# KiCad board nf_tpu.kicad_pcb (continued)
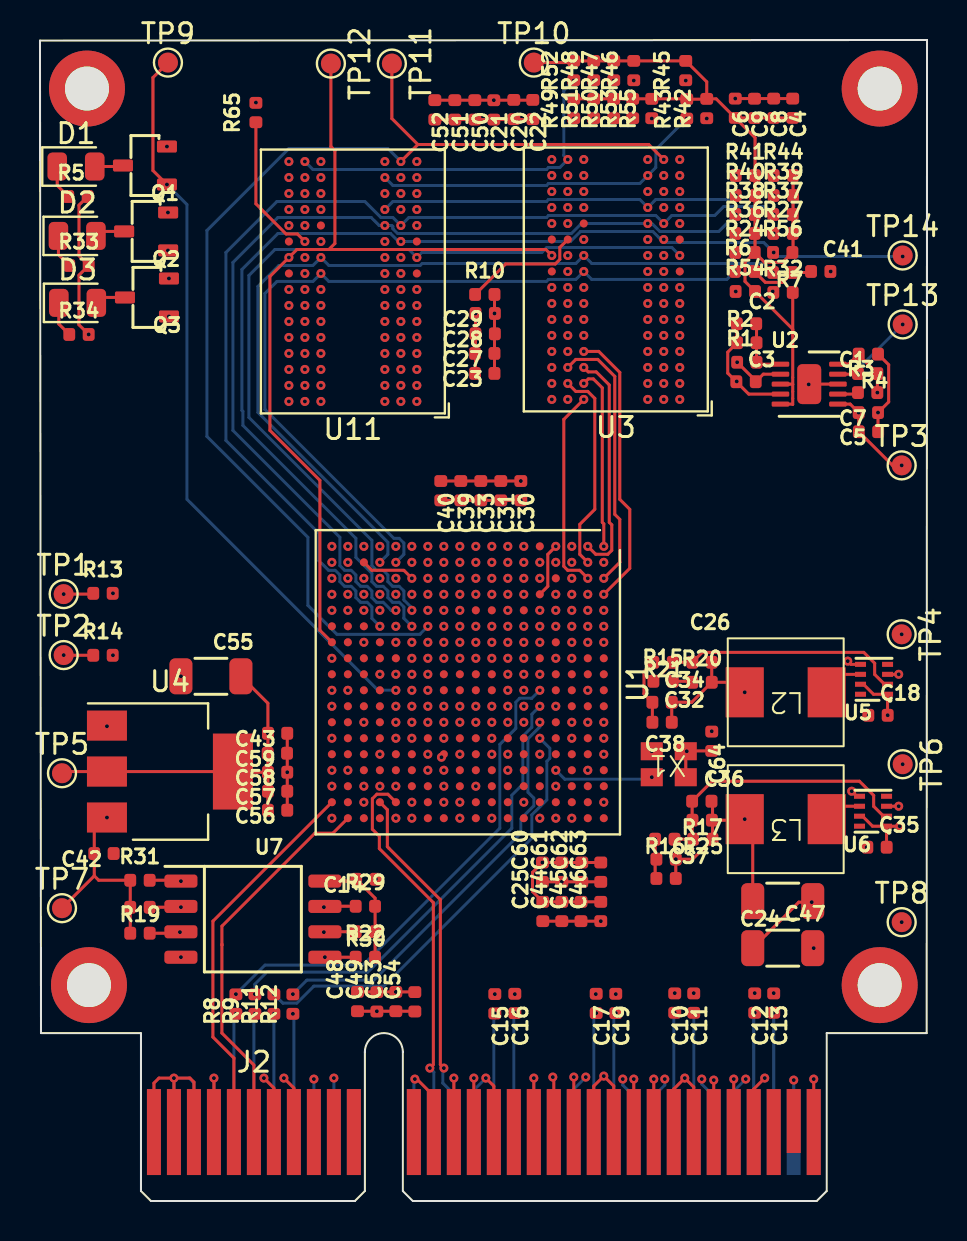
[diagram p0: board, top side]
## Footprints (pads in the part's own frame, mm; a bottom-side part is the same pattern mirrored in y, then rotated)
BGA-96_9.0x13.0mm_Layout2x3x16_P0.8mm
  round 0.4 smd: A1(-3.2,6) A2(-2.4,6) A3(-1.6,6) A7(1.6,6) A8(2.4,6) A9(3.2,6) B1(-3.2,5.2) B2(-2.4,5.2) B3(-1.6,5.2) B7(1.6,5.2) B8(2.4,5.2) B9(3.2,5.2) C1(-3.2,4.4) C2(-2.4,4.4) C3(-1.6,4.4) C7(1.6,4.4) C8(2.4,4.4) C9(3.2,4.4) D1(-3.2,3.6) D2(-2.4,3.6) D3(-1.6,3.6) D7(1.6,3.6) D8(2.4,3.6) D9(3.2,3.6) E1(-3.2,2.8) E2(-2.4,2.8) E3(-1.6,2.8) E7(1.6,2.8) E8(2.4,2.8) E9(3.2,2.8) F1(-3.2,2) F2(-2.4,2) F3(-1.6,2) F7(1.6,2) F8(2.4,2) F9(3.2,2) G1(-3.2,1.2) G2(-2.4,1.2) G3(-1.6,1.2) G7(1.6,1.2) G8(2.4,1.2) G9(3.2,1.2) H1(-3.2,0.4) H2(-2.4,0.4) H3(-1.6,0.4) H7(1.6,0.4) H8(2.4,0.4) H9(3.2,0.4) J1(-3.2,-0.4) J2(-2.4,-0.4) J3(-1.6,-0.4) J7(1.6,-0.4) J8(2.4,-0.4) J9(3.2,-0.4) K1(-3.2,-1.2) K2(-2.4,-1.2) K3(-1.6,-1.2) K7(1.6,-1.2) K8(2.4,-1.2) K9(3.2,-1.2) L1(-3.2,-2) L2(-2.4,-2) L3(-1.6,-2) L7(1.6,-2) L8(2.4,-2) L9(3.2,-2) M1(-3.2,-2.8) M2(-2.4,-2.8) M3(-1.6,-2.8) M7(1.6,-2.8) M8(2.4,-2.8) M9(3.2,-2.8) N1(-3.2,-3.6) N2(-2.4,-3.6) N3(-1.6,-3.6) N7(1.6,-3.6) N8(2.4,-3.6) N9(3.2,-3.6) P1(-3.2,-4.4) P2(-2.4,-4.4) P3(-1.6,-4.4) P7(1.6,-4.4) P8(2.4,-4.4) P9(3.2,-4.4) R1(-3.2,-5.2) R2(-2.4,-5.2) R3(-1.6,-5.2) R7(1.6,-5.2) R8(2.4,-5.2) R9(3.2,-5.2) T1(-3.2,-6) T2(-2.4,-6) T3(-1.6,-6) T7(1.6,-6) T8(2.4,-6) T9(3.2,-6)
BUS_PCIexpress_x4
  rect 0.7x3.2 smd far side: A1(0,0.55)
  rect 0.7x4.3 smd far side: A2(1,0) A3(2,0) A4(3,0) A5(4,0) A6(5,0) A7(6,0) A8(7,0) A9(8,0) A10(9,0) A11(10,0) A12(13,0) A13(14,0) A14(15,0) A15(16,0) A16(17,0) A17(18,0) A18(19,0) A19(20,0) A20(21,0) A21(22,0) A22(23,0) A23(24,0) A24(25,0) A25(26,0) A26(27,0) A27(28,0) A28(29,0) A29(30,0) A30(31,0) A31(32,0) A32(33,0)
  rect 0.7x4.3 smd: B1(0,0) B2(1,0) B3(2,0) B4(3,0) B5(4,0) B6(5,0) B7(6,0) B8(7,0) B9(8,0) B10(9,0) B11(10,0) B12(13,0) B13(14,0) B14(15,0) B15(16,0) B16(17,0) B17(18,0) B18(19,0) B19(20,0) B20(21,0) B21(22,0) B22(23,0) B23(24,0) B24(25,0) B25(26,0) B26(27,0) B27(28,0) B28(29,0) B29(30,0) B30(31,0) B32(33,0)
  rect 0.7x3.2 smd: B31(32,0.55)
C_0402_1005Metric
  rrect 0.59x0.64 smd: 1(-0.484,0) 2(0.484,0)
C_1206_3216Metric
  rrect 1.15x1.8 smd: 1(-1.5,-0.001) 2(1.5,-0.001)
LED_0805_2012Metric
  rrect 0.975x1.4 smd: 1(-0.938,0) 2(0.938,0)
MHCI05030
  rect 1.9x2.5 smd: 1(-2,0) 2(2.1,0)
MountingHole_2.2mm_M2_DIN965_Pad
  round 3.8 hole 2.2: 1(0,0)
nf_osci_100mhz
  rect 1.1x0.9 smd: 1(-0.9,-0.6) 2(0.8,-0.6) 3(0.8,0.7) 4(-0.9,0.7)
QFN-8_2x1mm
  rect 0.55x0.25 smd: 1(-0.677,0.75) 2(-0.677,0.25) 3(-0.677,-0.248) 4(-0.677,-0.748) 5(0.675,-0.748) 6(0.675,-0.248) 7(0.675,0.25) 8(0.675,0.75)
R_0402_1005Metric
  rrect 0.59x0.64 smd: 1(-0.485,0) 2(0.485,0)
SOIC-8-1EP_5.3x5.3x2mm_P1.27mm
  rrect 1.65x0.65 smd: 1(-3.601,1.905) 2(-3.601,0.635) 3(-3.601,-0.633) 4(-3.601,-1.904) 5(3.6,-1.904) 6(3.6,-0.633) 7(3.6,0.635) 8(3.6,1.905)
SOT-23-3
  rrect 1x0.6 smd: 1(-1.1,0.951) 2(-1.1,-0.949) 3(1.1,0.001)
SOT-223-3_TabPin2
  rect 2x1.5 smd: 1(-3.15,2.3) 2(-3.15,0) 3(-3.15,-2.3)
  rect 2x3.8 smd: 2(3.15,0)
TestPoint_Pad_D1.0mm
  round 1 smd: 1(0,0)
VSON-10-1EP_3x3mm
  rrect 0.48x0.81 smd: (-0.3,0.51) (-0.3,-0.488) (0.299,0.51) (0.299,-0.488)
  rrect 0.875x0.25 smd: 1(-1.438,1.01) 2(-1.438,0.51) 3(-1.438,0.011) 4(-1.438,-0.488) 5(-1.438,-0.988) 6(1.437,-0.988) 7(1.437,-0.488) 8(1.437,0.011) 9(1.437,0.51) 10(1.437,1.01)
  rrect 1.2x2 smd: 11(0,0.011)
Xilinx_CSG324
  round 0.4 smd: A1(-6.8,6.8) A2(-6,6.8) A3(-5.2,6.8) A4(-4.4,6.8) A5(-3.6,6.8) A6(-2.8,6.8) A7(-2,6.8) A8(-1.2,6.8) A9(-0.4,6.8) A10(0.4,6.8) A11(1.2,6.8) A12(2,6.8) A13(2.8,6.8) A14(3.6,6.8) A15(4.4,6.8) A16(5.2,6.8) A17(6,6.8) A18(6.8,6.8) B1(-6.8,6) B2(-6,6) B3(-5.2,6) B4(-4.4,6) B5(-3.6,6) B6(-2.8,6) B7(-2,6) B8(-1.2,6) B9(-0.4,6) B10(0.4,6) B11(1.2,6) B12(2,6) B13(2.8,6) B14(3.6,6) B15(4.4,6) B16(5.2,6) B17(6,6) B18(6.8,6) C1(-6.8,5.2) C2(-6,5.2) C3(-5.2,5.2) C4(-4.4,5.2) C5(-3.6,5.2) C6(-2.8,5.2) C7(-2,5.2) C8(-1.2,5.2) C9(-0.4,5.2) C10(0.4,5.2) C11(1.2,5.2) C12(2,5.2) C13(2.8,5.2) C14(3.6,5.2) C15(4.4,5.2) C16(5.2,5.2) C17(6,5.2) C18(6.8,5.2) D1(-6.8,4.4) D2(-6,4.4) D3(-5.2,4.4) D4(-4.4,4.4) D5(-3.6,4.4) D6(-2.8,4.4) D7(-2,4.4) D8(-1.2,4.4) D9(-0.4,4.4) D10(0.4,4.4) D11(1.2,4.4) D12(2,4.4) D13(2.8,4.4) D14(3.6,4.4) D15(4.4,4.4) D16(5.2,4.4) D17(6,4.4) D18(6.8,4.4) E1(-6.8,3.6) E2(-6,3.6) E3(-5.2,3.6) E4(-4.4,3.6) E5(-3.6,3.6) E6(-2.8,3.6) E7(-2,3.6) E8(-1.2,3.6) E9(-0.4,3.6) E10(0.4,3.6) E11(1.2,3.6) E12(2,3.6) E13(2.8,3.6) E14(3.6,3.6) E15(4.4,3.6) E16(5.2,3.6) E17(6,3.6) E18(6.8,3.6) F1(-6.8,2.8) F2(-6,2.8) F3(-5.2,2.8) F4(-4.4,2.8) F5(-3.6,2.8) F6(-2.8,2.8) F7(-2,2.8) F8(-1.2,2.8) F9(-0.4,2.8) F10(0.4,2.8) F11(1.2,2.8) F12(2,2.8) F13(2.8,2.8) F14(3.6,2.8) F15(4.4,2.8) F16(5.2,2.8) F17(6,2.8) F18(6.8,2.8) G1(-6.8,2) G2(-6,2) G3(-5.2,2) G4(-4.4,2) G5(-3.6,2) G6(-2.8,2) G7(-2,2) G8(-1.2,2) G9(-0.4,2) G10(0.4,2) G11(1.2,2) G12(2,2) G13(2.8,2) G14(3.6,2) G15(4.4,2) G16(5.2,2) G17(6,2) G18(6.8,2) H1(-6.8,1.2) H2(-6,1.2) H3(-5.2,1.2) H4(-4.4,1.2) H5(-3.6,1.2) H6(-2.8,1.2) H7(-2,1.2) H8(-1.2,1.2) H9(-0.4,1.2) H10(0.4,1.2) H11(1.2,1.2) H12(2,1.2) H13(2.8,1.2) H14(3.6,1.2) H15(4.4,1.2) H16(5.2,1.2) H17(6,1.2) H18(6.8,1.2) J1(-6.8,0.4) J2(-6,0.4) J3(-5.2,0.4) J4(-4.4,0.4) J5(-3.6,0.4) J6(-2.8,0.4) J7(-2,0.4) J8(-1.2,0.4) J9(-0.4,0.4) J10(0.4,0.4) J11(1.2,0.4) J12(2,0.4) J13(2.8,0.4) J14(3.6,0.4) J15(4.4,0.4) J16(5.2,0.4) J17(6,0.4) J18(6.8,0.4) K1(-6.8,-0.4) K2(-6,-0.4) K3(-5.2,-0.4) K4(-4.4,-0.4) K5(-3.6,-0.4) K6(-2.8,-0.4) K7(-2,-0.4) K8(-1.2,-0.4) K9(-0.4,-0.4) K10(0.4,-0.4) K11(1.2,-0.4) K12(2,-0.4) K13(2.8,-0.4) K14(3.6,-0.4) K15(4.4,-0.4) K16(5.2,-0.4) K17(6,-0.4) K18(6.8,-0.4) L1(-6.8,-1.2) L2(-6,-1.2) L3(-5.2,-1.2) L4(-4.4,-1.2) L5(-3.6,-1.2) L6(-2.8,-1.2) L7(-2,-1.2) L8(-1.2,-1.2) L9(-0.4,-1.2) L10(0.4,-1.2) L11(1.2,-1.2) L12(2,-1.2) L13(2.8,-1.2) L14(3.6,-1.2) L15(4.4,-1.2) L16(5.2,-1.2) L17(6,-1.2) L18(6.8,-1.2) M1(-6.8,-2) M2(-6,-2) M3(-5.2,-2) M4(-4.4,-2) M5(-3.6,-2) M6(-2.8,-2) M7(-2,-2) M8(-1.2,-2) M9(-0.4,-2) M10(0.4,-2) M11(1.2,-2) M12(2,-2) M13(2.8,-2) M14(3.6,-2) M15(4.4,-2) M16(5.2,-2) M17(6,-2) M18(6.8,-2) N1(-6.8,-2.8) N2(-6,-2.8) N3(-5.2,-2.8) N4(-4.4,-2.8) N5(-3.6,-2.8) N6(-2.8,-2.8) N7(-2,-2.8) N8(-1.2,-2.8) N9(-0.4,-2.8) N10(0.4,-2.8) N11(1.2,-2.8) N12(2,-2.8) N13(2.8,-2.8) N14(3.6,-2.8) N15(4.4,-2.8) N16(5.2,-2.8) N17(6,-2.8) N18(6.8,-2.8) P1(-6.8,-3.6) P2(-6,-3.6) P3(-5.2,-3.6) P4(-4.4,-3.6) P5(-3.6,-3.6) P6(-2.8,-3.6) P7(-2,-3.6) P8(-1.2,-3.6) P9(-0.4,-3.6) P10(0.4,-3.6) P11(1.2,-3.6) P12(2,-3.6) P13(2.8,-3.6) P14(3.6,-3.6) P15(4.4,-3.6) P16(5.2,-3.6) P17(6,-3.6) P18(6.8,-3.6) R1(-6.8,-4.4) R2(-6,-4.4) R3(-5.2,-4.4) R4(-4.4,-4.4) R5(-3.6,-4.4) R6(-2.8,-4.4) R7(-2,-4.4) R8(-1.2,-4.4) R9(-0.4,-4.4) R10(0.4,-4.4) R11(1.2,-4.4) R12(2,-4.4) R13(2.8,-4.4) R14(3.6,-4.4) R15(4.4,-4.4) R16(5.2,-4.4) R17(6,-4.4) R18(6.8,-4.4) T1(-6.8,-5.2) T2(-6,-5.2) T3(-5.2,-5.2) T4(-4.4,-5.2) T5(-3.6,-5.2) T6(-2.8,-5.2) T7(-2,-5.2) T8(-1.2,-5.2) T9(-0.4,-5.2) T10(0.4,-5.2) T11(1.2,-5.2) T12(2,-5.2) T13(2.8,-5.2) T14(3.6,-5.2) T15(4.4,-5.2) T16(5.2,-5.2) T17(6,-5.2) T18(6.8,-5.2) U1(-6.8,-6) U2(-6,-6) U3(-5.2,-6) U4(-4.4,-6) U5(-3.6,-6) U6(-2.8,-6) U7(-2,-6) U8(-1.2,-6) U9(-0.4,-6) U10(0.4,-6) U11(1.2,-6) U12(2,-6) U13(2.8,-6) U14(3.6,-6) U15(4.4,-6) U16(5.2,-6) U17(6,-6) U18(6.8,-6) V1(-6.8,-6.8) V2(-6,-6.8) V3(-5.2,-6.8) V4(-4.4,-6.8) V5(-3.6,-6.8) V6(-2.8,-6.8) V7(-2,-6.8) V8(-1.2,-6.8) V9(-0.4,-6.8) V10(0.4,-6.8) V11(1.2,-6.8) V12(2,-6.8) V13(2.8,-6.8) V14(3.6,-6.8) V15(4.4,-6.8) V16(5.2,-6.8) V17(6,-6.8) V18(6.8,-6.8)

## Nets
GND: C1.1 C2.1 C3.1 C4.1 C5.1 C6.1 C7.1 C8.1 C9.1 C14.1 C18.1 C20.1 C21.1 C22.1 C23.1 C24.1 C25.1 C27.1 C28.1 C29.1 C30.1 C31.1 C32.1 C33.1 C34.1 C35.1 C37.1 C38.1 C39.1 C40.1 C41.2 C43.1 C44.1 C45.1 C46.1 C47.1 C48.1 C49.1 C50.1 C51.1 C52.1 C53.1 C54.1 C55.1 C56.1 C57.1 C58.1 C59.1 C60.1 C61.1 C62.1 C63.1 C64.1 J2.A4 J2.A12 J2.A15 J2.A18 J2.A20 J2.A23 J2.A24 J2.A27 J2.A28 J2.A31 J2.B4 J2.B7 J2.B13 J2.B16 J2.B18 J2.B21 J2.B22 J2.B25 J2.B26 J2.B29 J2.B32 Q1.2 Q2.2 Q3.2 R2.1 R10.2 R16.2 R21.2 R65.2 TP8.1 U1.A2 U1.A12 U1.B5 U1.B15 U1.C8 U1.C18 U1.D1 U1.D11 U1.E4 U1.E14 U1.F7 U1.F9 U1.F11 U1.F17 U1.G8 U1.G10 U1.G12 U1.H3 U1.H7 U1.H11 U1.H13 U1.J6 U1.J8 U1.J12 U1.J16 U1.K7 U1.K11 U1.L2 U1.L8 U1.L12 U1.M5 U1.M7 U1.M9 U1.M11 U1.M15 U1.N8 U1.N10 U1.N12 U1.N18 U1.P1 U1.P11 U1.P13 U1.R4 U1.R14 U1.T7 U1.T17 U1.U10 U1.V3 U1.V13 U2.4 U2.8 U2.11 U3.A9 U3.B1 U3.B3 U3.B9 U3.D1 U3.D8 U3.E1 U3.E2 U3.E8 U3.F9 U3.G1 U3.G8 U3.G9 U3.J2 U3.J8 U3.M1 U3.M9 U3.P1 U3.P9 U3.T1 U3.T9 U4.1 U5.3 U5.5 U6.3 U6.5 U7.4 U11.A9 U11.B1 U11.B3 U11.B9 U11.D1 U11.D8 U11.E1 U11.E2 U11.E8 U11.F9 U11.G1 U11.G8 U11.G9 U11.J2 U11.J8 U11.M1 U11.M9 U11.P1 U11.P9 U11.T1 U11.T9 X1.2
VCC3V3: C1.2 C14.2 C18.2 C35.2 C42.2 C47.2 C48.2 C49.2 C53.2 C54.2 C64.2 J2.A9 J2.A10 J2.B8 R3.2 R4.1 R5.2 R13.2 R14.2 R19.2 R22.2 R28.2 R29.2 R30.1 R31.1 R33.2 R34.2 TP7.1 U1.A17 U1.B10 U1.C13 U1.D16 U1.G15 U1.H18 U1.K14 U1.L17 U1.N13 U1.P12 U1.P16 U1.R9 U1.T12 U1.U15 U1.V18 U2.10 U4.3 U5.1 U5.7 U6.1 U6.7 U7.8 X1.1 X1.4
VCCAUX: C43.2 C55.2 C56.2 C57.2 C58.2 C59.2 TP5.1 U1.F12 U1.H12 U1.K12 U1.M12 U4.2
VCCDDR3: C3.2 C20.2 C21.2 C22.2 C23.2 C26.2 C27.2 C28.2 C29.2 C30.2 C31.2 C32.2 C33.2 C34.2 C39.2 C40.2 C50.2 C51.2 C52.2 L2.2 R1.1 R20.2 TP4.1 U1.A7 U1.C3 U1.D6 U1.F2 U1.G5 U1.J1 U1.K4 U1.N3 U1.P6 U1.T2 U1.U5 U1.V8 U2.2 U3.A1 U3.A8 U3.B2 U3.C1 U3.C9 U3.D2 U3.D9 U3.E9 U3.F1 U3.G7 U3.H2 U3.H9 U3.K2 U3.K8 U3.N1 U3.N9 U3.R1 U3.R9 U11.A1 U11.A8 U11.B2 U11.C1 U11.C9 U11.D2 U11.D9 U11.E9 U11.F1 U11.G7 U11.H2 U11.H9 U11.K2 U11.K8 U11.N1 U11.N9 U11.R1 U11.R9
VCCINT: C24.2 C25.2 C36.2 C37.2 C38.2 C44.2 C45.2 C46.2 C60.2 C61.2 C62.2 C63.2 L3.2 R17.1 R25.1 TP6.1 U1.F8 U1.F10 U1.G7 U1.G9 U1.G11 U1.H8 U1.J7 U1.J11 U1.K8 U1.L7 U1.L11 U1.M8 U1.M10 U1.N7 U1.N9 U1.N11
A0: R40.1 U1.U1 U3.N3 U11.N3
A1: R50.1 U1.T4 U3.P7 U11.P7
A2: R41.1 U1.U2 U3.P3 U11.P3
A3: R39.1 U1.T1 U3.N2 U11.N2
A4: R47.1 U1.U4 U3.P8 U11.P8
A5: R44.1 U1.T3 U3.P2 U11.P2
A6: R48.1 U1.R5 U3.R8 U11.R8
A7: R42.1 U1.V2 U3.R2 U11.R2
A8: R52.1 U1.V5 U3.T8 U11.T8
A9: R43.1 U1.V1 U3.R3 U11.R3
A10: R55.1 U1.M4 U3.L7 U11.L7
A11: R51.1 U1.V4 U3.R7 U11.R7
A12: R53.1 U1.N4 U3.N7 U11.N7
A13: R45.1 U1.U3 U3.T3 U11.T3
A14: R49.1 U1.T5 U3.T7 U11.T7
BA0: R37.1 U1.R6 U3.M2 U11.M2
BA1: R46.1 U1.P4 U3.N8 U11.N8
BA2: R38.1 U1.P5 U3.M3 U11.M3
CAS_N: R27.1 U1.R1 U3.K3 U11.K3
CK+: R6.1 U1.P2 U3.J7 U11.J7
CK-: R7.2 U1.R2 U3.K7 U11.K7
CKE: R54.1 TP12.1 U1.V7 U3.K9 U11.K9
CS_N: R56.1 TP14.1 U1.N6 U3.L2 U11.L2
DDR3_VREF: C5.2 C7.2 TP3.1 U2.6 U3.H1 U3.M8 U11.H1 U11.M8
DDR3_VTT: C4.2 C6.2 C8.2 C9.2 R24.2 R27.2 R32.2 R36.2 R37.2 R38.2 R39.2 R40.2 R41.2 R42.2 R43.2 R44.2 R45.2 R46.2 R47.2 R48.2 R49.2 R50.2 R51.2 R52.2 R53.2 R54.2 R55.2 R56.2 TP10.1 U2.3 U2.5
DM0: U1.H1 U11.E7
DM1: U1.G4 U11.D3
DM2: U1.C5 U3.E7
DM3: U1.D5 U3.D3
DQ0: U1.F4 U11.E3
DQ1: U1.D2 U11.F7
DQ2: U1.G1 U11.F2
DQ3: U1.E2 U11.F8
DQ4: U1.F1 U11.H3
DQ5: U1.C2 U11.H8
DQ6: U1.F3 U11.G2
DQ7: U1.C1 U11.H7
DQ8: U1.G3 U11.D7
DQ9: U1.J3 U11.C3
DQ10: U1.H6 U11.C8
DQ11: U1.K1 U11.C2
DQ12: U1.F6 U11.A7
DQ13: U1.J2 U11.A2
DQ14: U1.G6 U11.B8
DQ15: U1.K2 U11.A3
DQ16: U1.B7 U3.E3
DQ17: U1.D8 U3.F7
DQ18: U1.C7 U3.F2
DQ19: U1.E6 U3.F8
DQ20: U1.C6 U3.H3
DQ21: U1.E7 U3.H8
DQ22: U1.B6 U3.G2
DQ23: U1.E5 U3.H7
DQ24: U1.A4 U3.D7
DQ25: U1.B4 U3.C3
DQ26: U1.A3 U3.C8
DQ27: U1.C4 U3.C2
DQ28: U1.B3 U3.A7
DQ29: U1.D4 U3.A2
DQ30: U1.B2 U3.B8
DQ31: U1.E3 U3.A3
DQS0+: U1.H2 U11.F3
DQS0-: U1.G2 U11.G3
DQS1+: U1.J4 U11.C7
DQS1-: U1.H4 U11.B7
DQS2+: U1.A6 U3.F3
DQS2-: U1.A5 U3.G3
DQS3+: U1.B1 U3.C7
DQS3-: U1.A1 U3.B7
ext_clk: U1.D15 X1.3
FPGA_DONE: Q1.1 TP9.1 U1.P10
JTAG_TCK: R8.2 U1.E10
JTAG_TDI: R9.2 U1.E11
JTAG_TDO: R11.2 U1.E13
JTAG_TMS: R12.2 U1.E12
ODT: R32.1 U1.N5 U3.K1 U11.K1
pcie_3v3_aux: J2.B10
pcie_12v: J2.A2 J2.A3 J2.B1 J2.B2 J2.B3
pcie_r0+: J2.B14 U1.V10
pcie_r0-: J2.B15 U1.V11
pcie_r1+: J2.B19 U1.N17
pcie_r1-: J2.B20 U1.P18
pcie_r2+: J2.B23 U1.H14
pcie_r2-: J2.B24 U1.G14
pcie_r3+: J2.B27 U1.C12
pcie_r3-: J2.B28 U1.B12
pcie_refclk+: J2.A13 U1.P17
pcie_refclk-: J2.A14 U1.R17
pcie_smclk: J2.B5 U1.V17
pcie_smdat: J2.B6 U1.U18
pcie_t0+: C15.1 U1.R16
pcie_t0-: C16.1 U1.T16
pcie_t1+: C17.1 U1.L15
pcie_t1-: C19.1 U1.L16
pcie_t2+: C10.1 U1.E18
pcie_t2-: C11.1 U1.D18
pcie_t3+: C12.1 U1.A13
pcie_t3-: C13.1 U1.A14
QSPI0_CLK: R30.2 U1.E9 U7.6
QSPI0_CS_N: R31.2 U1.L13 U7.1
QSPI0_D0: R22.1 U1.K17 U7.5
QSPI0_D1: R19.1 U1.K18 U7.2
QSPI0_D2: R28.1 U1.L14 U7.3
QSPI0_D3: R29.1 U1.M14 U7.7
RAS_N: R24.1 U1.P3 U3.J3 U11.J3
RESET_N: TP11.1 U1.M6 U3.T2 U11.T2
USR_LED0: Q2.1 U1.V15
USR_LED1: Q3.1 U1.V16
WE_N: R36.1 U1.R3 U3.L3 U11.L3
Net-(C41-Pad1): C41.1 R6.2 R7.1
Net-(D1-Pad1): D1.1 R5.1
Net-(D2-Pad1): D2.1 R33.1
Net-(D3-Pad1): D3.1 R34.1
Net-(J2-JTAG2): J2.A5 R8.1
Net-(J2-JTAG3): J2.A6 R9.1
Net-(J2-JTAG4): J2.A7 R11.1
Net-(J2-JTAG5): J2.A8 R12.1
Net-(J2-PERn0): C16.2 J2.A17
Net-(J2-PERn1): C19.2 J2.A22
Net-(J2-PERn2): C11.2 J2.A26
Net-(J2-PERn3): C13.2 J2.A30
Net-(J2-PERp0): C15.2 J2.A16
Net-(J2-PERp1): C17.2 J2.A21
Net-(J2-PERp2): C10.2 J2.A25
Net-(J2-PERp3): C12.2 J2.A29
Net-(Q1-D): D1.2 Q1.3
Net-(Q2-D): D2.2 Q2.3
Net-(Q3-D): D3.2 Q3.3
Net-(R15-Pad2): R15.2 R20.1
Net-(U1D-INIT_B_0): R13.1 TP1.1 U1.P7
Net-(U1D-PROGRAM_B_0): R14.1 TP2.1 U1.P9
Net-(U2-EN): R3.1 U2.7
Net-(U2-PGOOD): R4.2 TP13.1 U2.9
Net-(U2-REFIN): C2.2 R1.2 R2.2 U2.1
Net-(U3-ZQ): R10.1 U3.L8
Net-(U5-FB): C26.1 R15.1 R21.1 U5.2
Net-(U5-SW): L2.1 U5.6
Net-(U6-FB): C36.1 R16.1 R17.2 R25.2 U6.2
Net-(U6-SW): L3.1 U6.6
Net-(U11-ZQ): R65.1 U11.L8

Pads without a net: C42 1; J2 A1 A11 A19 A32 B9 B11 B12 B17 B30 B31; NOREF 1; NOREF#2 1; NOREF#3 1; NOREF#4 1; U1 A8 A9 A10 A11 A15 A16 A18 B8 B9 B11 B13 B14 B16 B17 B18 C9 C10 C11 C14 C15 C16 C17 D3 D7 D9 D10 D12 D13 D14 D17 E1 E8 E15 E16 E17 F5 F13 F14 F15 F16 F18 G13 G16 G17 G18 H5 H9 H10 H15 H16 H17 J5 J9 J10 J13 J14 J15 J17 J18 K3 K5 K6 K9 K10 K13 K15 K16 L1 L3 L4 L5 L6 L9 L10 L18 M1 M2 M3 M13 M16 M17 M18 N1 N2 N14 N15 N16 P8 P14 P15 R7 R8 R10 R11 R12 R13 R15 R18 T6 T8 T9 T10 T11 T13 T14 T15 T18 U6 U7 U8 U9 U11 U12 U13 U14 U16 U17 V6 V9 V12 V14; U3 J1 J9 L1 L9 M7; U5 4 8; U6 4 8; U11 J1 J9 L1 L9 M7

## Via types
v1: diameter 0.45, hole 0.2, Top to Bottom, 540 vias

## Routing (per net, layer and track width the routed paths; a pad name or vN(x,y) marks a point on that pad's centre or on a via; arc(x,y) is an arc through that point)
GND: length 141.5
  Top w0.15: v1(42.95,26.35) 42.95,26.35 U5.3 ; C49.1 v1(16.85,9.49) ; v1(16.85,9.49) 18.74,9.49 C54.1 ; v1(16.85,9.49) C48.1 ; U6.5 40.85,20.25 v1(40.6,20.5) ; J2.B32 v1(38.7,6.1) ; 38.65,15 v1(38.6,14.95) 37.95,14.95 C47.1 ; v1(22.7,55.07) 24.63,55.07 C22.1 ; v1(22.7,55.07) C21.1 ; v1(22.7,55.07) C52.1 ; U5.5 40.56,26.85 v1(40.4,27.01) ; v1(41.45,24.3) 41.45,24.3 C18.1 ; R10.2 v1(22.73,44.4) ; v1(22.73,44.4) 22.73,41.4 C23.1 ; v1(22.73,44.4) C29.1 ; C40.1 v1(24.05,36.02) ; 10.8,54.94 v1(10.8,54.95) ; v1(11.2,6.15) 11.7,5.65 J2.B7 ; J2.B21 27.7,5.75 v1(28.2,6.25) 28.7,5.75 J2.B22 ; C3.1 34.83,40.98 v1(34.85,41) ; C3.1 34.4,41.42 34.4,42.46 R2.1 34.86,42.95 C2.1 ; C3.1 35.45,40.37 U2.4 ; Q1.2 v1(6.35,52.75) ; v1(22.3,6.15) 22.7,5.75 J2.B16 ; v1(30.77,18.1) 30.77,16.2 C37.1 ; J2.B29 35.7,5.6 v1(36.25,6.15) ; C35.1 v1(41.35,17.7) ; v1(34.78,55.15) C4.1 ; v1(42.95,19.75) 42.95,19.75 U6.3 ; C25.1 v1(28.05,14) ; C41.2 v1(39.55,46.5) ; J2.A18 v1(24.7,6.15) ; C1.1 42.45,41.83 42.45,39.97 v1(41.92,39.44) 41.92,38.49 C5.1 ; v1(38.45,40.85) 38.46,40.86 U2.11 U2.8 ; C64.1 v1(33.6,23.5) ; U4.1 v1(3.35,23.75) ; Q2.2 6.4,49.45 v1(6.4,49.45) ; J2.B26 32.7,5.7 v1(32.25,6.15) 31.7,5.6 J2.B25 ; v1(18.75,6.1) 18.85,6.1 19.7,5.25 J2.B13 ; J2.A4 v1(8.7,6.15) ; v1(30.7,26.95) R21.2 30.21,26.48 30.21,25.37 C34.1 C32.1 ; C43.1 C56.1 ; v1(25.8,32.75) 25.4,32.35 25.4,30.75 U1.E4 ; v1(7.05,12.2) U7.4 ; C60.1 C63.1 ; v1(16.8,16.1) 16.8,16.1 C14.1
  GND w0.15: v1(16.2,27.95) 16.6,28.35 16.6,29.95 v1(17,30.35) ; v1(17,30.35) 17.4,29.95 19,29.95 v1(19.4,29.55) 19.8,29.15 19.8,28.35 v1(19.4,27.95) ; v1(17,30.35) 17.4,30.75 17.4,32.35 v1(17.8,32.75) 18.2,32.35 19.8,32.35 v1(20.2,31.95) 20.6,31.55 22.2,31.55 v1(22.6,31.15) 22.2,30.75 22.2,29.15 v1(21.8,28.75) ; v1(17,30.35) 16.6,30.75 15,30.75 v1(14.6,31.15) ; v1(26.6,27.15) 27,27.55 27,29.15 v1(27.4,29.55) 27.8,29.95 28.37,29.95 28.6,30.18 28.6,31.55 v1(28.2,31.95)
  Bottom w0.15: v1(27.3,6.2) 26.7,5.6 J2.A20 ; J2.A31 v1(37.7,6.05) ; J2.A27 33.7,5.25 33.1,5.85 v1(33.1,6.1) ; v1(18.75,6.1) 18.7,6.05 J2.A12 ; v1(29.15,6.1) 29.15,5.8 29.7,5.25 J2.A23 ; J2.A24 30.7,5.25 31.25,5.8 v1(31.25,6.1) ; J2.A4 v1(8.7,6.15) ; J2.A28 34.7,5.5 v1(35.3,6.1) ; J2.A18 v1(24.7,6.15) ; J2.A15 21.7,5.55 v1(22.3,6.15)
  vias: v1(6.45,46.15) v1(7.05,26.25) v1(12.37,21.45) v1(12.45,52) v1(12.45,50.4) v1(12.45,48.8) v1(12.45,44.8) v1(12.45,44) v1(12.45,40.8) v1(12.45,40) v1(13.25,46.4) v1(13.25,44.8) v1(13.25,43.2) v1(13.25,42.4) v1(14.6,23.15) v1(15.4,25.55) v1(16.2,19.95) v1(17,22.35) v1(17.25,40.8) v1(17.8,24.75) v1(17.8,23.15) v1(18.05,46.4) v1(18.05,43.2) v1(18.6,27.15) v1(18.6,25.55) v1(18.6,23.95) v1(18.6,19.15) v1(18.85,52) v1(18.85,50.4) v1(18.85,48.8) v1(18.85,44.8) v1(18.85,43.2) v1(18.85,42.4) v1(18.85,40.8) v1(19.4,26.35) v1(19.4,24.75) v1(19.4,21.55) v1(20.2,27.15) v1(20.2,23.95) v1(21,27.95) v1(21,24.75) v1(21.8,27.15) v1(21.8,23.95) v1(21.8,20.75) v1(22.6,27.95) v1(22.6,24.75) v1(22.6,23.15) v1(23.4,27.15) v1(23.4,25.55) v1(23.4,23.95) v1(24.2,27.95) v1(24.2,26.35) v1(24.2,24.75) v1(24.2,19.95) v1(25,22.35) v1(25.6,52.1) v1(25.6,50.5) v1(25.6,48.9) v1(25.6,44.9) v1(25.6,44.1) v1(25.6,40.9) v1(25.6,40.1) v1(25.8,24.75) v1(26.1,15.97) v1(26.4,46.5) v1(26.4,44.9) v1(26.4,43.3) v1(26.4,42.5) v1(26.6,19.15) v1(27.4,21.55) v1(28.2,23.95) v1(30.4,40.9) v1(30.6,22.5) v1(31.2,46.5) v1(31.2,43.3) v1(32,52.1) v1(32,50.5) v1(32,48.9) v1(32,44.9) v1(32,43.3) v1(32,42.5) v1(32,40.9) v1(43.1,13.95)
VCC3V3: length 92.8
  Top w0.15: C64.2 32.32,22.52 X1.1 v1(32.35,22.5) 32.3,22.45 X1.4 ; R22.2 R29.2 16.76,15.15 v1(15.82,16.1) 15.72,16.01 U7.8 ; U6.1 42.34,17.71 C35.2 ; U6.1 41.64,18.75 41.14,19.25 U6.7 ; U6.1 v1(43,18.75) ; v1(38.7,12.65) 38.7,12.65 C47.2 ; 2.72,16.27 2.94,16.05 R31.1 R28.2 ; 2.72,16.27 TP7.1 ; 2.72,16.27 C42.2 2.72,18.55 v1(3.35,19.18) ; J2.B8 12.7,5.65 v1(12.2,6.15) ; R13.2 v1(3.65,30.4) ; v1(42.4,24.3) 42.39,24.31 U5.1 41.69,25.35 41.19,25.85 U5.7 ; R14.2 v1(3.65,27.3) ; v1(2.44,43.35) 1.95,43.84 1.95,46.32 R33.2 1.95,47.29 1.95,49.82 R5.2 ; v1(41.88,40.44) R4.1 40.95,42.33 C1.2 40.45,41.86 U2.10 ; C48.2 18.74,10.46 C54.2
  VCC w0.15: v1(3.35,19.18) 2.44,20.1 2.44,24.29 3.65,25.5 v1(3.65,27.3) v1(3.65,30.4) 3.65,32.24 2.44,33.45 v1(2.44,43.35) ; v1(41.88,40.44) 41.96,40.44 43.85,38.55 43.85,25.75 v1(42.4,24.3) ; v1(17.8,23.95) 17,24.75 v1(17,26.35)
  Bottom w0.15: J2.A9 v1(13.7,6.1) ; J2.A10 v1(14.7,6.15)
  vias: v1(14.6,19.15) v1(15.4,21.55) v1(16.2,23.95) v1(17.8,20.75) v1(17.8,10.46) v1(18.6,23.15) v1(20.2,19.95) v1(21,22.35) v1(22.6,19.15) v1(23.4,21.55) v1(25.8,20.75) v1(26.6,23.15) v1(27.4,25.55) v1(28.2,19.95)
VCCAUX: length 32.1
  Top w0.15: TP5.1 1.18,21.48 U4.2 U4.2 9.68,21.45 C58.2 ; C55.2 11.4,24.9 v1(11.4,23.4) C56.2
  VCC w0.15: 22.15,24.35 23.8,24.35 v1(24.2,23.95) ; 22.15,24.35 20.65,24.35 ; 22.15,24.35 22.2,24.35 v1(22.6,23.95) ; v1(21,23.95) 20.65,24.3 20.65,24.35 ; 20.65,24.35 19.8,24.35 v1(19.4,23.95) 19,23.55 11.55,23.55 v1(11.4,23.4)
VCCDDR3: length 79.9
  Top w0.15: 33.6,26.95 33.6,25.95 R20.2 ; U1.T2 16.6,31.55 18.2,31.55 v1(18.6,31.15) ; v1(35.25,25.45) 34.75,25.95 R20.2 ; C22.2 24.63,54.1 v1(22.75,54.1) ; C23.2 21.78,41.42 v1(21.78,44.4) ; v1(22.75,54.1) 22.75,54.1 C21.2 ; v1(22.75,54.1) C52.2 ; v1(34.87,41.96) 35.8,41.03 35.8,40.98 36.18,41.36 U2.2 ; C40.2 v1(24.05,35.05) ; R20.2 32.6,24.95 31.6,24.95 31.6,23.95
  VCC w0.15: v1(31.2,45.7) 31.6,45.3 31.6,44.5 v1(32,44.1) ; v1(17.8,28.75) 18.2,29.15 18.2,30.75 v1(18.6,31.15) ; v1(13.25,47.2) 13.65,47.6 17.65,47.6 v1(18.05,47.2) ; v1(35.25,25.45) 35.8,25.45 38.7,28.35 v1(43.1,28.35) ; v1(14.05,44.8) 14.45,45.2 17.65,45.2 v1(18.05,45.6) 18.45,45.2 18.45,44.4 v1(18.85,44) ; v1(23.4,29.55) 23.8,29.15 25.4,29.15 v1(25.8,28.75) 26.2,28.35 27.8,28.35 v1(28.2,27.95) 28.8,28.55 28.8,30.55 28.6,30.75 27,30.75 v1(26.6,31.15) 26.2,31.55 24.6,31.55 v1(24.2,31.95) 23.8,32.35 22.2,32.35 v1(21.8,32.75) 21.4,32.35 21.4,30.75 v1(21,30.35) 20.6,30.75 19,30.75 v1(18.6,31.15) ; v1(18.6,31.15) 18.2,31.55 18.2,34.2 19.05,35.05 v1(24.05,35.05)
  vias: v1(12.45,51.2) v1(12.45,49.6) v1(12.45,45.6) v1(12.45,43.2) v1(12.45,42.4) v1(12.45,41.6) v1(13.25,40) v1(14.6,27.15) v1(15.4,29.55) v1(18.05,42.4) v1(18.05,40.8) v1(18.85,51.2) v1(18.85,49.6) v1(18.85,41.6) v1(18.85,40) v1(25.6,51.3) v1(25.6,49.7) v1(25.6,45.7) v1(25.6,43.3) v1(25.6,42.5) v1(25.6,41.7) v1(26.4,47.3) v1(26.4,40.1) v1(27.2,44.9) v1(31.2,47.3) v1(31.2,42.5) v1(31.2,40.9) v1(32,51.3) v1(32,49.7) v1(32,41.7) v1(32,40.1)
VCCINT: length 67.6
  Top w0.15: C63.2 v1(25.13,16.93) 24.64,16.44 24.64,15.48 C25.2 C46.2 ; C37.2 v1(31.8,17.1) 32.64,17.1 R25.1 33.64,19.95 C36.2 ; R17.1 35.2,19.05 v1(35.25,19.1) 35.65,18.7 35.65,15
  VCC w0.15: v1(31.8,17.1) 31.63,16.93 v1(25.13,16.93) 25.13,17.77 24.55,18.35 24.55,19.7 25.4,20.55 25.4,26.52 25.09,26.83 24.53,26.83 v1(24.2,27.15) ; v1(19.4,25.55) v1(18.6,26.35) v1(19.4,27.15) ; v1(19.4,25.55) v1(18.6,24.75) ; v1(19.4,25.55) v1(20.2,24.75) 20.6,25.15 21.4,25.15 v1(21.8,24.75) 22.25,25.2 22.95,25.2 v1(23.4,24.75) v1(24.2,25.55) v1(23.4,26.35) ; v1(19.4,27.15) v1(20.2,27.95) v1(21,27.15) v1(21.8,27.95) v1(22.6,27.15) ; v1(19.4,27.15) v1(18.6,27.95) ; v1(22.6,27.15) v1(23.4,27.95) v1(24.2,27.15) ; v1(22.6,27.15) v1(23.4,26.35) ; v1(24.2,27.15) v1(23.4,26.35) ; v1(35.25,19.1) 36.25,19.1 39,21.85 v1(43.15,21.85)
A0: length 44.6
  Top w0.15: R40.1 v1(34.8,50.3)
  In2.Cu w0.15: 11.92,49.93 11.85,49.85 ; 11.92,49.93 12,50 16.85,50 v1(17.25,49.6) ; 11.92,49.93 9.4,47.4 9.4,40.05 11.3,38.15 11.35,38.15 11.5,37.99 11.56,37.99 15.4,34.15 v1(15.4,32.75)
  Bottom w0.15: v1(34.8,50.3) 34.6,50.1 30.8,50.1 v1(30.4,49.7) 30,50.1 25.43,50.1 25.33,50 17.65,50 v1(17.25,49.6)
A1: length 44.3
  Top w0.15: R50.1 v1(28.7,54.15)
  In4.Cu w0.15: 10.35,39.95 10.35,47.7 11.85,49.2 12.62,49.2 12.85,49.43 12.85,49.77 13.08,50 13.53,50 13.93,50.4 v1(14.05,50.4) 15.35,50.4 16.55,49.2 25.33,49.2 25.43,49.3 25.77,49.3 26,49.53 26,49.87 26.23,50.1 26.68,50.1 27.08,50.5 v1(27.2,50.5) 27.6,50.5 28.7,51.6 v1(28.7,54.15) ; 10.35,39.95 10.35,39.7 ; 10.35,39.95 10.35,37.75 10.62,37.48 ; 10.62,37.48 15,33.1 15,32.55 15.2,32.35 15.57,32.35 15.8,32.12 15.8,30.75 v1(16.2,30.35) ; 10.62,37.48 10.5,37.6
A2: length 47.2
  Top w0.15: R41.1 v1(34.8,51.3)
  In2.Cu w0.15: 11.95,50.75 12,50.8 16.85,50.8 v1(17.25,50.4) 17.65,50.8 25.33,50.8 25.43,50.9 30,50.9 v1(30.4,50.5) 30.8,50.9 31.37,50.9 31.6,51.13 31.6,51.47 31.83,51.7 34.4,51.7 v1(34.8,51.3) ; 11.95,50.75 11.9,50.7 ; 11.95,50.75 8.9,47.7 8.9,40.15 14.6,34.45 14.75,34.45 15,34.2 15,32.35 v1(15.4,31.95)
A3: length 44.9
  Top w0.15: R39.1 v1(36.7,50.3)
  In2.Cu w0.15: v1(36.7,50.3) 36.3,49.9 34.63,49.9 34.43,50.1 31.6,50.1 v1(31.2,49.7) 30.8,49.3 19.25,49.3 19.15,49.2 18.45,49.2 v1(18.05,49.6) 18.05,49.48 17.65,49.08 17.65,48.63 17.42,48.4 12.6,48.4 11.85,47.65 ; 11.85,47.65 10.25,46.05 10.25,40.04 12.59,37.7 12.7,37.7 16.2,34.2 v1(16.2,32.75) ; 11.85,47.65 11.8,47.6
A4: length 45.3
  Top w0.15: R47.1 v1(28.7,56.05)
  In4.Cu w0.15: v1(15.4,30.35) 15,30.75 15,32.12 14.77,32.35 14.43,32.35 9.85,36.93 9.85,47.85 12,50 12.73,50 13.13,50.4 v1(13.25,50.4) 13.48,50.4 13.88,50.8 15.95,50.8 16.75,50 25.33,50 25.43,50.1 25.77,50.1 26.17,50.5 v1(26.4,50.5) 26.4,50.55 26.5,50.65 26.78,50.65 27.03,50.9 27.5,50.9 28.3,51.7 28.3,55.65 v1(28.7,56.05)
A5: length 47.7
  In2.Cu w0.15: v1(36.7,51.3) 36.3,50.9 31.72,50.9 31.32,50.5 v1(31.2,50.5) 30.8,50.1 25.43,50.1 25.33,50 18.68,50 18.67,50.02 18.43,50.02 v1(18.05,50.4) 17.65,50 17.65,49.43 17.42,49.2 12.28,49.2 9.8,46.72 9.8,40.14 14.89,35.05 14.95,35.05 15.8,34.2 15.8,31.55 v1(16.2,31.15)
A6: length 48.7
  Top w0.15: R48.1 v1(27.7,56.05)
  In4.Cu w0.15: v1(17,29.55) 16.6,29.95 14.43,29.95 12.95,31.43 12.95,32.45 8.95,36.45 8.95,39.9 8.9,39.95 8.9,48.3 12.2,51.6 12.85,51.6 v1(13.25,51.2) 13.65,51.6 25.33,51.6 25.43,51.7 26,51.7 v1(26.4,51.3) 26.8,51.7 27.37,51.7 27.6,51.93 27.6,53.68 27.3,53.98 27.3,55.65 v1(27.7,56.05)
A7: length 48.6
  Top w0.15: R42.1 v1(33.35,54.15)
  In2.Cu w0.15: v1(14.6,31.95) 14.15,32.4 14.15,34.1 8.15,40.1 8.15,48.7 11.85,52.4 14.8,52.4 15.6,51.6 17.65,51.6 v1(18.05,51.2) 18.45,51.6 25.33,51.6 25.43,51.7 30.8,51.7 v1(31.2,51.3) 31.2,51.42 31.6,51.82 31.6,52.4 v1(33.35,54.15)
A8: length 46.2
  Top w0.15: R52.1 v1(26.7,56.05)
  In4.Cu w0.15: v1(14.6,29.55) 14.32,29.55 12.7,31.17 12.7,32.15 8.55,36.3 8.55,49.1 11.85,52.4 12.85,52.4 v1(13.25,52)
  Bottom w0.15: v1(13.25,52) 13.65,51.6 25.33,51.6 25.43,51.7 26,51.7 v1(26.4,52.1) 26.2,52.3 26.2,55.55 v1(26.7,56.05)
A9: length 45.4
  In2.Cu w0.15: v1(14.6,32.75) 14.6,34.05 8.55,40.1 8.55,48.2 11.95,51.6 14.65,51.6 15.05,51.2 v1(17.25,51.2)
  Bottom w0.15: v1(17.25,51.2) 17.65,50.8 25.33,50.8 25.43,50.9 30,50.9 v1(30.4,51.3) 30.8,51.7 30.8,52.6 v1(32.35,54.15)
A10: length 45
  Top w0.15: R55.1 v1(30.6,54.15)
  In4.Cu w0.15: v1(19.4,30.35) 19.25,30.35 18.85,30.75 18.43,30.75 18.2,30.98 18.2,31.35 18,31.55 17.63,31.55 17.4,31.78 17.4,32.92 17.07,33.25 16.95,33.25 11.65,38.55 11.65,46.45 12,46.8 13.45,46.8 13.65,47 13.65,47.4 14.05,47.8 v1(14.05,48) 15.25,46.8 24.53,46.8 25.63,47.9 27,47.9 v1(27.2,48.1) 27.2,48.3 29.85,50.95 29.85,53.25 30.5,53.9 30.5,54.05 v1(30.6,54.15)
A11: length 42.8
  Top w0.15: R51.1 v1(27.7,54.15)
  In4.Cu w0.15: v1(14.6,30.35) 13.7,31.25 13.7,32.35 9.35,36.7 9.35,48.15 12,50.8 13.53,50.8 13.93,51.2 v1(14.05,51.2) 16.55,51.2 16.95,50.8 25.2,50.8 25.3,50.9 26.68,50.9 27.08,51.3 v1(27.2,51.3) 27.48,51.3 27.85,51.67 27.85,54 v1(27.7,54.15)
A12: length 45.9
  Top w0.15: R53.1 v1(29.65,54.15)
  In4.Cu w0.15: v1(29.65,54.15) 29.55,54.05 29.55,51.4 27.85,49.7 v1(27.2,49.7) 26.95,49.45 26.95,48.88 26.32,48.25 25.49,48.25 24.84,47.6 16.05,47.6 v1(14.05,49.6) 13.65,49.2 13.65,47.75 13.5,47.6 11.95,47.6 11.25,46.9 11.25,38.4 16.6,33.05 16.6,31.75 16.8,31.55 17.17,31.55 17.4,31.32 17.4,30.98 17.63,30.75 18.08,30.75 18.48,30.35 v1(18.6,30.35)
A13: length 50.9
  Top w0.15: R45.1 v1(32.3,56.05)
  In2.Cu w0.15: v1(15.4,31.15) 15,31.55 14.43,31.55 13.65,32.33 13.65,34 7.75,39.9 7.75,48.8 11.7,52.75 16.5,52.75 v1(17.25,52) 17.75,52.5 30,52.5 v1(30.4,52.1) 31.4,53.1 31.4,55.15 v1(32.3,56.05)
A14: length 48.6
  Top w0.15: R49.1 v1(26.7,54.15)
  In4.Cu w0.15: v1(26.7,54.15) 27.2,53.65 v1(27.2,52.1) 26.8,52.5 14.55,52.5 v1(14.05,52) 13.25,52.8 11.7,52.8 8.1,49.2 8.1,36 12.05,32.05 12.05,30.75 13.65,29.15 15.8,29.15 v1(16.2,29.55)
BA0: length 52.3
  Top w0.15: R37.1 v1(36.7,49.35)
  Bottom w0.15: v1(17,28.75) 16.6,29.15 16.6,29.72 16.37,29.95 16.03,29.95 15.8,30.18 15.8,30.52 15.57,30.75 15.23,30.75 15,30.98 15,31.32 14.77,31.55 14.43,31.55 13.95,32.03 13.95,33.4 9.3,38.05 9.3,47.45 11.85,50 16.25,50 17.05,49.2 17.65,49.2 v1(18.05,48.8) 18.45,49.2 25.33,49.2 25.43,49.3 30.8,49.3 v1(31.2,48.9) 31.6,49.3 33.75,49.3 34.2,49.75 36.3,49.75 v1(36.7,49.35)
BA1: length 47.1
  Top w0.15: R46.1 v1(29.7,56.05)
  In4.Cu w0.15: v1(17.8,30.35) 17.57,30.35 17.17,30.75 16.83,30.75 16.6,30.98 16.6,31.35 16.05,31.9 16.05,32.22 15.8,32.47 15.8,33 10.75,38.05 10.75,47.25 11.75,48.25 12.5,48.25 12.85,48.6 12.85,49.08 13.25,49.48 v1(13.25,49.6) 13.48,49.6 13.88,50 14.9,50 16.5,48.4 25.1,48.4 25.2,48.5 25.8,48.5 26,48.7 26,49.18 26.4,49.58 v1(26.4,49.7) 26.63,49.7 27.03,50.1 27.7,50.1 29.25,51.65 29.25,55.6 v1(29.7,56.05)
BA2: length 48.7
  Top w0.15: R38.1 v1(34.8,49.35)
  Bottom w0.15: v1(34.8,49.35) 33.95,48.5 31,48.5 30.6,48.9 v1(30.4,48.9) 27.08,48.9 26.58,48.4 17.88,48.4 17.65,48.63 17.65,48.75 17.6,48.8 v1(17.25,48.8) 16.97,48.8 16.57,49.2 11.9,49.2 9.65,46.95 9.65,38.55 15,33.2 15,31.78 15.23,31.55 15.57,31.55 15.8,31.32 15.8,30.98 16.03,30.75 16.37,30.75 16.6,30.52 16.6,30.18 16.83,29.95 17.17,29.95 17.57,29.55 v1(17.8,29.55)
